# KiCad board Ultra-MSX.kicad_pcb (continued)
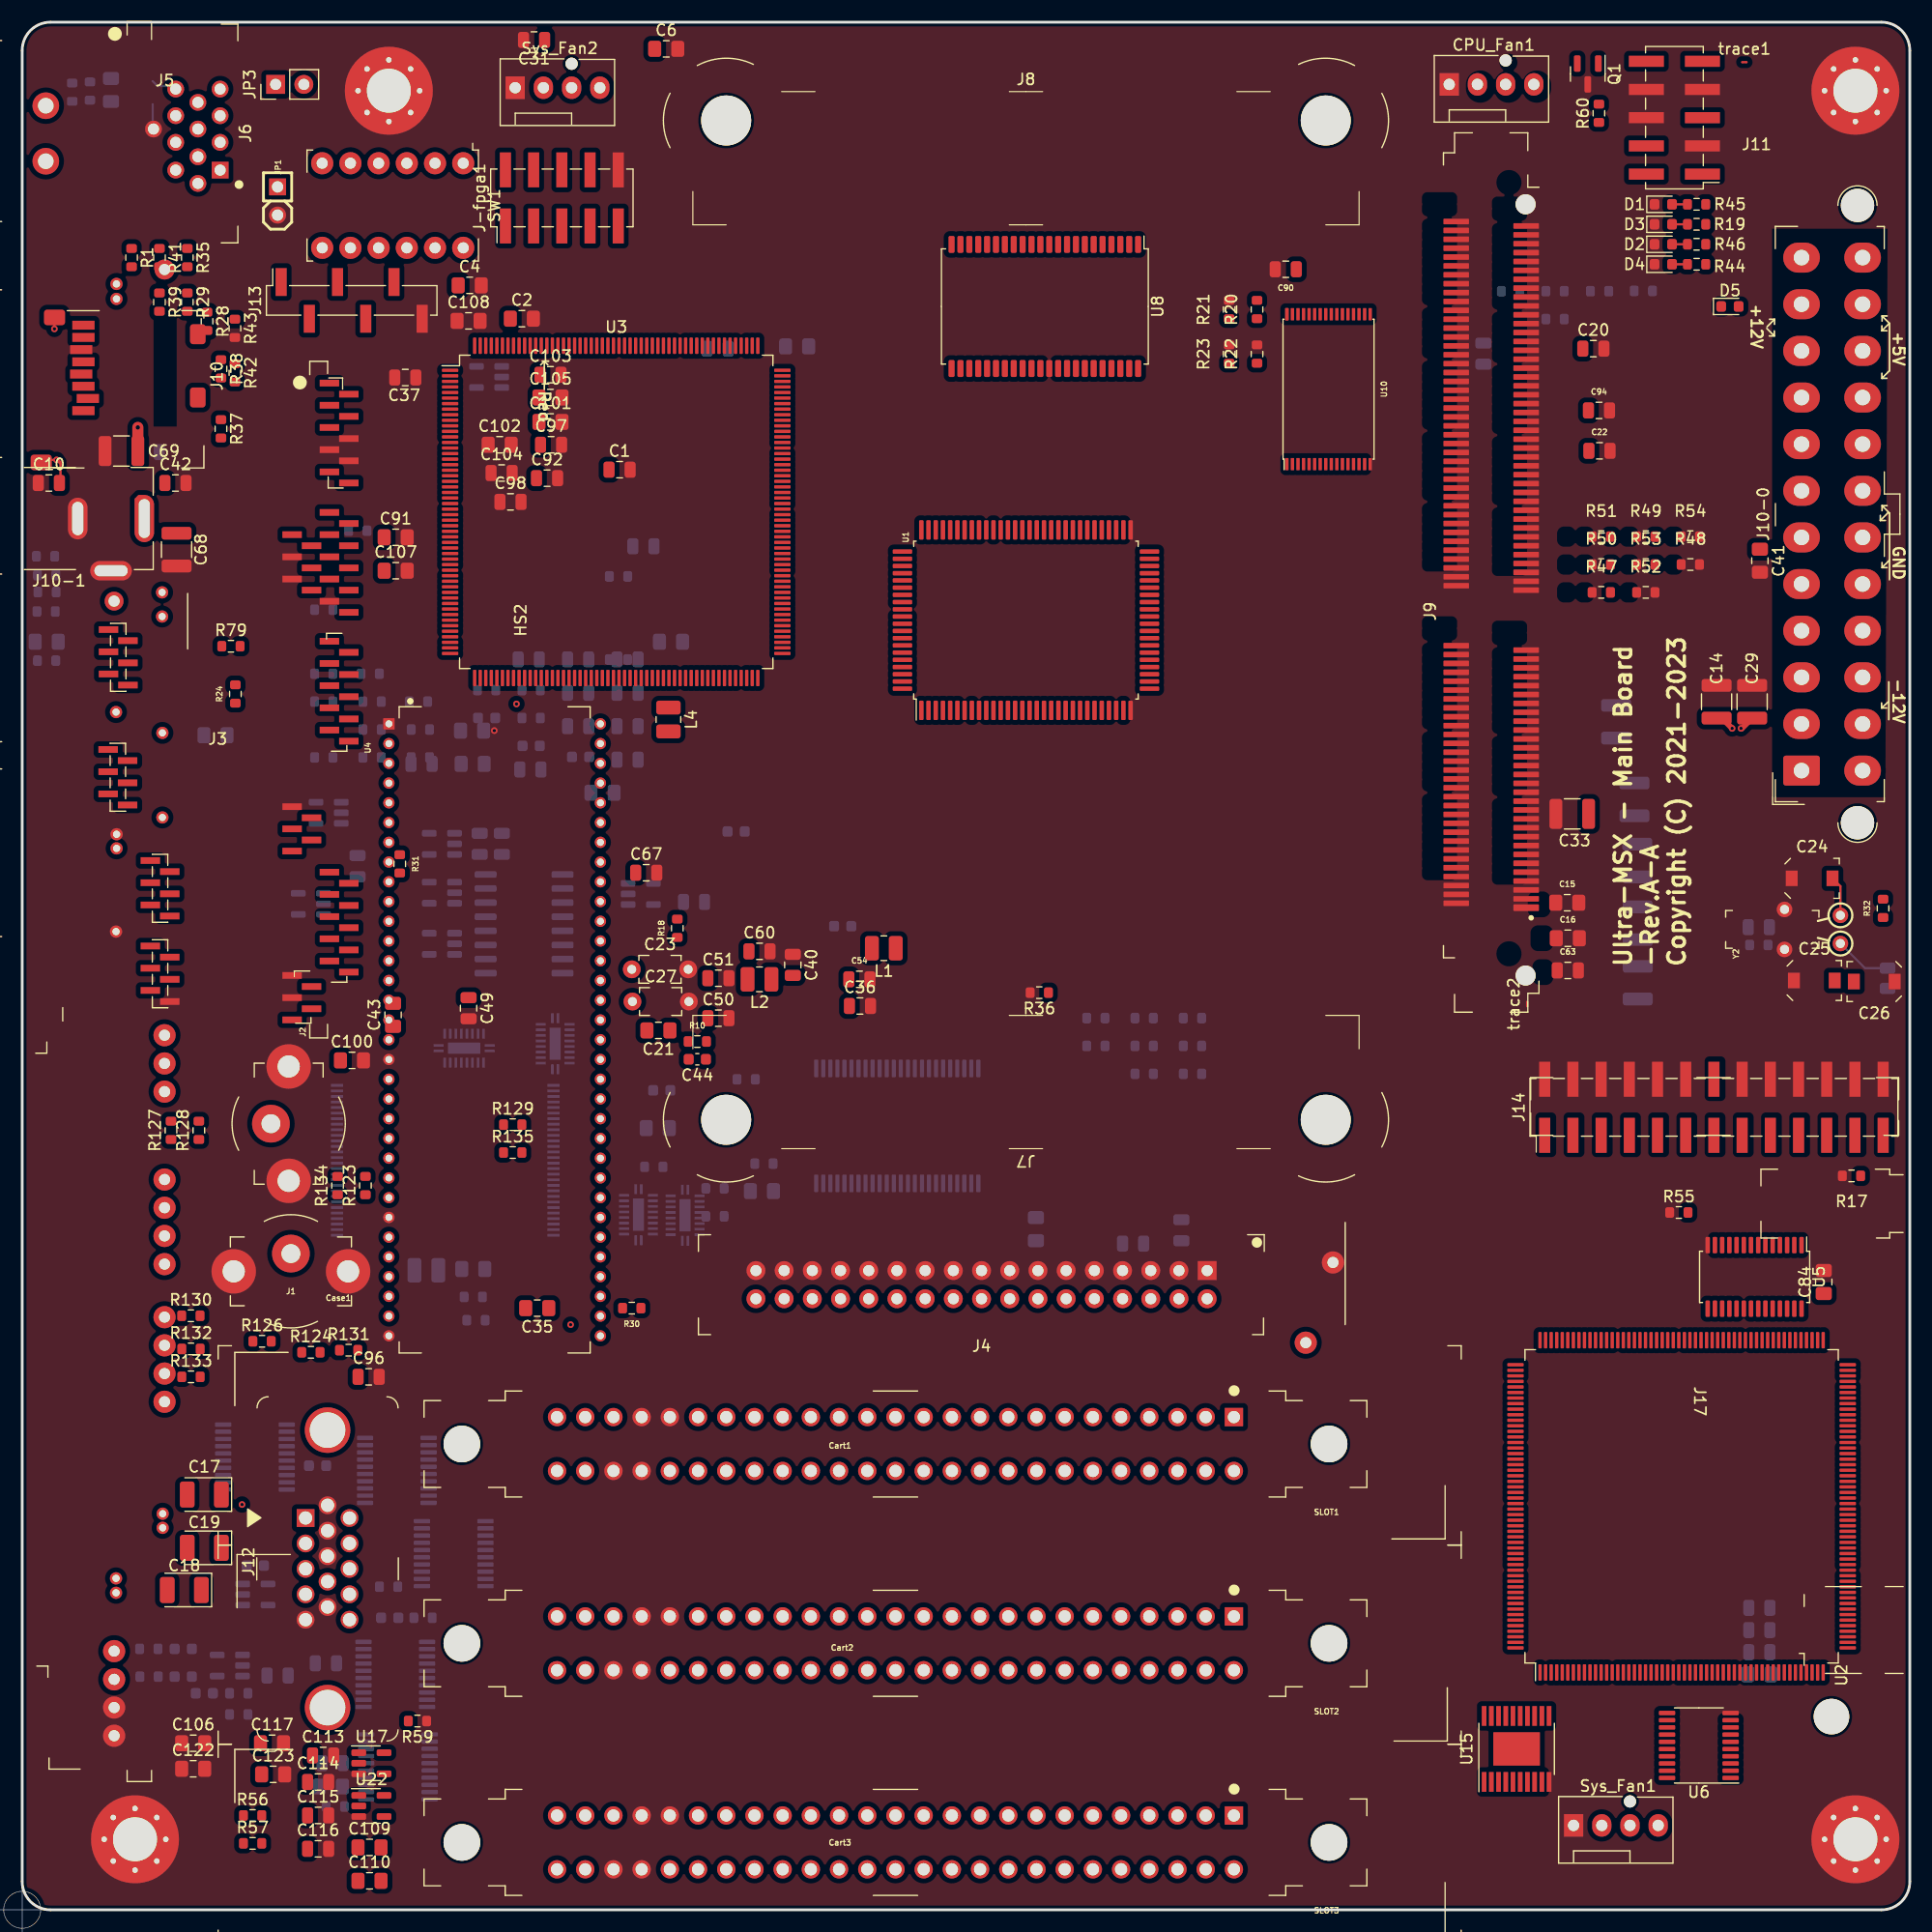
[diagram p0: board, top side]
## Footprints (pads in the part's own frame, mm; a bottom-side part is the same pattern mirrored in y, then rotated) (continued)
TSOP-32_8x14mm_P0.5mm
  rrect 1.1x0.3 smd: 1(6.75,-3.75) 2(6.75,-3.25) 3(6.75,-2.75) 4(6.75,-2.25) 5(6.75,-1.75) 6(6.75,-1.25) 7(6.75,-0.75) 8(6.75,-0.25) 9(6.75,0.25) 10(6.75,0.75) 11(6.75,1.25) 12(6.75,1.75) 13(6.75,2.25) 14(6.75,2.75) 15(6.75,3.25) 16(6.75,3.75) 17(-6.75,3.75) 18(-6.75,3.25) 19(-6.75,2.75) 20(-6.75,2.25) 21(-6.75,1.75) 22(-6.75,1.25) 23(-6.75,0.75) 24(-6.75,0.25) 25(-6.75,-0.25) 26(-6.75,-0.75) 27(-6.75,-1.25) 28(-6.75,-1.75) 29(-6.75,-2.25) 30(-6.75,-2.75) 31(-6.75,-3.25) 32(-6.75,-3.75) 32(-6.75,-3.75)
TSOP-I-56_18.4x14mm_P0.5mm
  rect 1.1x0.25 smd: 1(-9.75,6.75) 2(-9.75,6.25) 3(-9.75,5.75) 4(-9.75,5.25) 5(-9.75,4.75) 6(-9.75,4.25) 7(-9.75,3.75) 8(-9.75,3.25) 9(-9.75,2.75) 10(-9.75,2.25) 11(-9.75,1.75) 12(-9.75,1.25) 13(-9.75,0.75) 14(-9.75,0.25) 15(-9.75,-0.25) 16(-9.75,-0.75) 17(-9.75,-1.25) 18(-9.75,-1.75) 19(-9.75,-2.25) 20(-9.75,-2.75) 21(-9.75,-3.25) 22(-9.75,-3.75) 23(-9.75,-4.25) 24(-9.75,-4.75) 25(-9.75,-5.25) 26(-9.75,-5.75) 27(-9.75,-6.25) 28(-9.75,-6.75) 29(9.75,-6.75) 30(9.75,-6.25) 31(9.75,-5.75) 32(9.75,-5.25) 33(9.75,-4.75) 34(9.75,-4.25) 35(9.75,-3.75) 36(9.75,-3.25) 37(9.75,-2.75) 38(9.75,-2.25) 39(9.75,-1.75) 40(9.75,-1.25) 41(9.75,-0.75) 42(9.75,-0.25) 43(9.75,0.25) 44(9.75,0.75) 45(9.75,1.25) 46(9.75,1.75) 47(9.75,2.25) 48(9.75,2.75) 49(9.75,3.25) 50(9.75,3.75) 51(9.75,4.25) 52(9.75,4.75) 53(9.75,5.25) 54(9.75,5.75) 55(9.75,6.25) 56(9.75,6.75)
TSOP-II-44_10.16x18.41mm_P0.8mm
  rrect 1.525x0.55 smd: 1(-5.588,8.4) 2(-5.588,7.6) 3(-5.588,6.8) 4(-5.588,6) 5(-5.588,5.2) 6(-5.588,4.4) 7(-5.588,3.6) 8(-5.588,2.8) 9(-5.588,2) 10(-5.588,1.2) 11(-5.588,0.4) 12(-5.588,-0.4) 13(-5.588,-1.2) 14(-5.588,-2) 15(-5.588,-2.8) 16(-5.588,-3.6) 17(-5.588,-4.4) 18(-5.588,-5.2) 19(-5.588,-6) 20(-5.588,-6.8) 21(-5.588,-7.6) 22(-5.588,-8.4) 23(5.588,-8.4) 24(5.588,-7.6) 25(5.588,-6.8) 26(5.588,-6) 27(5.588,-5.2) 28(5.588,-4.4) 29(5.588,-3.6) 30(5.588,-2.8) 31(5.588,-2) 32(5.588,-1.2) 33(5.588,-0.4) 34(5.588,0.4) 35(5.588,1.2) 36(5.588,2) 37(5.588,2.8) 38(5.588,3.6) 39(5.588,4.4) 40(5.588,5.2) 41(5.588,6) 42(5.588,6.8) 43(5.588,7.6) 44(5.588,8.4)
TSSOP-20_4.4x6.5mm_P0.65mm
  rrect 1.475x0.4 smd: 1(-2.862,2.925) 2(-2.862,2.275) 3(-2.862,1.625) 4(-2.862,0.975) 5(-2.862,0.325) 6(-2.862,-0.325) 7(-2.862,-0.975) 8(-2.862,-1.625) 9(-2.862,-2.275) 10(-2.862,-2.925) 11(2.862,-2.925) 12(2.862,-2.275) 13(2.862,-1.625) 14(2.862,-0.975) 15(2.862,-0.325) 16(2.862,0.325) 17(2.862,0.975) 18(2.862,1.625) 19(2.862,2.275) 20(2.862,2.925)
TSSOP-28_4.4x9.7mm_P0.65mm
  rrect 1.475x0.4 smd: 1(-2.862,4.225) 2(-2.862,3.575) 3(-2.862,2.925) 4(-2.862,2.275) 5(-2.862,1.625) 6(-2.862,0.975) 7(-2.862,0.325) 8(-2.862,-0.325) 9(-2.862,-0.975) 10(-2.862,-1.625) 11(-2.862,-2.275) 12(-2.862,-2.925) 13(-2.862,-3.575) 14(-2.862,-4.225) 15(2.862,-4.225) 16(2.862,-3.575) 17(2.862,-2.925) 18(2.862,-2.275) 19(2.862,-1.625) 20(2.862,-0.975) 21(2.862,-0.325) 22(2.862,0.325) 23(2.862,0.975) 24(2.862,1.625) 25(2.862,2.275) 26(2.862,2.925) 27(2.862,3.575) 28(2.862,4.225)
Ultra-IO-shield
  oval 1.8x1.8 hole 1: 1(3.27,-22.225)
  oval 1.1x1.1 hole 0.65: 2(-1.06,-23.52) 3(-1.06,-24.87) 5(3.05,-51.3) 6(3.05,-53.475) 13(-1.1,-62.08) 14(3.075,-63.955) 21(3.075,-71.57) 22(-1.05,-73.085) 23(-1.05,-74.355) 30(-1.1,-81.85) 48(3.1,-134.275) 49(3.1,-135.55) 50(-1.1,-140.1) 51(-1.1,-141.4)
  oval 1.7x1.7 hole 1: 4(-1.275,-52.087)
  rect 1.75x0.6 smd: 7(-1.775,-54.65) 8(-0.025,-55.65) 9(-1.775,-56.65) 10(-0.025,-57.65) 11(-1.775,-58.65) 12(-0.025,-59.65) 15(-1.81,-65.45) 16(-0.06,-66.45) 17(-1.81,-67.45) 18(-0.06,-68.45) 19(-1.81,-69.45) 20(-0.06,-70.45) 24(1.99,-75.45) 25(3.74,-76.45) 26(1.99,-77.45) 27(3.74,-78.45) 28(1.99,-79.45) 29(3.74,-80.45) 31(1.99,-83.15) 32(3.74,-84.15) 33(1.99,-85.15) 34(3.74,-86.15) 35(1.99,-87.15) 36(3.74,-88.15)
  oval 2x2 hole 1: 37(3.27,-91.185) 38(3.27,-93.725) 39(3.27,-96.265) 40(3.27,-104.18) 41(3.27,-106.72) 42(3.27,-109.26) 43(3.27,-111.8) 44(3.27,-116.575) 45(3.27,-119.115) 46(3.27,-121.655) 47(3.27,-124.195) 52(-1.27,-146.655) 53(-1.27,-149.195) 54(-1.27,-151.735) 55(-1.27,-154.275)
Ultra-VDP-daughter
  rect 1.75x0.6 smd: 1(6.26,32.05) 2(8.01,31.05) 3(6.26,30.05) 4(8.01,29.05) 5(6.26,28.05) 6(8.01,27.05) 7(6.26,26.05) 8(8.01,25.05) 9(6.26,24.05) 10(8.01,23.05) 11(6.26,20.4) 12(8.01,19.4) 13(6.26,18.4) 14(8.01,17.4) 15(6.26,16.4) 16(8.01,15.4) 17(6.26,14.4) 18(8.01,13.4) 19(6.26,12.4) 20(8.01,11.4) 21(6.26,8.8) 22(8.01,7.8) 23(6.26,6.8) 24(8.01,5.8) 25(6.26,4.8) 26(8.01,3.8) 27(6.26,2.8) 28(8.01,1.8) 29(6.26,0.8) 30(8.01,-0.2) 31(6.26,-12) 32(8.01,-13) 33(6.26,-14) 34(8.01,-15) 35(6.26,-16) 36(8.01,-17) 37(6.26,-18) 38(8.01,-19) 39(6.26,-20) 40(8.01,-21) 41(2.9,18.4) 42(4.65,17.4) 43(2.9,16.4) 44(4.65,15.4) 45(2.9,14.4) 46(4.65,13.4) 47(2.9,-6.1) 48(4.65,-7.1) 49(2.9,-8.1) 50(4.65,-9.1) 51(2.9,-10.1) 52(2.9,-21.3) 53(4.65,-22.3) 54(2.9,-23.3) 55(4.65,-24.3) 56(2.9,-25.3)
WQFN-20-1EP_2.5x4.5mm_P0.5mm_EP1x2.9mm
  rect 0.8x0.8 smd: (0,-0.95) (0,0) (0,0.95)
  rect 0.24x0.9 smd: 1(-0.25,2.3) 10(-0.25,-2.3) 11(0.25,-2.3) 20(0.25,2.3)
  rect 0.9x0.24 smd: 2(-1.3,1.75) 3(-1.3,1.25) 4(-1.3,0.75) 5(-1.3,0.25) 6(-1.3,-0.25) 7(-1.3,-0.75) 8(-1.3,-1.25) 9(-1.3,-1.75) 12(1.3,-1.75) 13(1.3,-1.25) 14(1.3,-0.75) 15(1.3,-0.25) 16(1.3,0.25) 17(1.3,0.75) 18(1.3,1.25) 19(1.3,1.75)
  rect 1x2.9 smd: 21(0,0)
X2GS
  round 3.2 hole 3.2 unplated: (28.4,12.35)
YM_SDIP64_600
  rect 1.016x1.016 hole 0.635: 1(-27.559,-9.525)
  round 1.016 hole 0.635: 2(-25.781,-9.525) 3(-24.003,-9.525) 4(-22.225,-9.525) 5(-20.447,-9.525) 6(-18.669,-9.525) 7(-16.891,-9.525) 8(-15.113,-9.525) 9(-13.335,-9.525) 10(-11.557,-9.525) 11(-9.779,-9.525) 12(-8.001,-9.525) 13(-6.223,-9.525) 14(-4.445,-9.525) 15(-2.667,-9.525) 16(-0.889,-9.525) 17(0.889,-9.525) 18(2.667,-9.525) 19(4.445,-9.525) 20(6.223,-9.525) 21(8.001,-9.525) 22(9.779,-9.525) 23(11.557,-9.525) 24(13.335,-9.525) 25(15.113,-9.525) 26(16.891,-9.525) 27(18.669,-9.525) 28(20.447,-9.525) 29(22.225,-9.525) 30(24.003,-9.525) 31(25.781,-9.525) 32(27.559,-9.525) 33(27.559,9.525) 34(25.781,9.525) 35(24.003,9.525) 36(22.225,9.525) 37(20.447,9.525) 38(18.669,9.525) 39(16.891,9.525) 40(15.113,9.525) 41(13.335,9.525) 42(11.557,9.525) 43(9.779,9.525) 44(8.001,9.525) 45(6.223,9.525) 46(4.445,9.525) 47(2.667,9.525) 48(0.889,9.525) 49(-0.889,9.525) 50(-2.667,9.525) 51(-4.445,9.525) 52(-6.223,9.525) 53(-8.001,9.525) 54(-9.779,9.525) 55(-11.557,9.525) 56(-13.335,9.525) 57(-15.113,9.525) 58(-16.891,9.525) 59(-18.669,9.525) 60(-20.447,9.525) 61(-22.225,9.525) 62(-24.003,9.525) 63(-25.781,9.525) 64(-27.559,9.525)

## Nets
+3.3V: C10.2 C14.1 C29.1 C96.1 C100.1 D5.2 J10.4 J10-0.1 J10-0.2 J10-0.12 J10-0.13 J13.5 R37.2 R38.1 R44.2 U1.40 U23.29 U23.43 U24.20 U25.20 U26.20 U27.20
+5V: C1.1 C2.1 C3.1 C4.1 C5.1 C6.1 C7.1 C8.1 C9.1 C11.1 C12.1 C15.1 C16.1 C20.1 C34.2 C39.2 C41.1 C42.1 C59.1 C67.1 C68.2 C69.2 C71.1 C74.1 C75.1 C86.1 C88.1 C91.1 C92.1 C93.1 C94.1 C117.1 C118.1 C123.1 J3.16 J5.14 J5.23 J5.37 J6.12 J9.11 J9.12 J9.27 J9.28 J9.45 J9.46 J9.63 J9.64 J9.81 J9.82 J9.101 J9.102 J9.113 J9.114 J9.129 J9.130 J9.143 J9.144 J10-0.4 J10-0.6 J10-0.21 J10-0.22 J10-0.23 J10-1.1 J12.9 J14.5 J14.9 J14.13 JP3.1 L3.1 R1.2 R19.1 R20.2 R28.2 R29.2 R34.2 R35.2 R39.2 R40.2 R41.2 R42.2 R47.1 R48.1 R49.1 R50.1 R51.1 R52.1 R53.1 R54.1 R62.1 R63.1 R64.1 R65.1 R66.1 R67.1 R68.1 R69.1 R70.2 R71.2 R72.2 R73.2 R74.2 R75.2 R76.2 R77.2 R79.2 R85.1 R86.1 R87.1 R88.1 R89.1 R90.1 R91.1 R92.1 RV1.17 RV2.17 RV3.17 RV4.17 RV5.17 SLOT1.45 SLOT1.47 SLOT2.45 SLOT2.47 SLOT3.45 SLOT3.47 U1.8 U1.10 U1.29 U1.50 U1.52 U1.70 U1.88 U1.90 U2.26 U2.55 U2.78 U2.106 U2.130 U2.154 U2.183 U2.205 U3.26 U3.55 U3.78 U3.106 U3.130 U3.154 U3.183 U3.205 U4.19 U4.62 U6.20 U8.33 U9.6 U9.9 U9.12 U14.7 U14.18 U14.31 U14.42 U15.20 U24.1 U25.1 U26.1 U27.1
+5VP: J-fpga1.2 SW1.10 SW1.11 SW1.12
+5VSB: C62.1 C84.1 J10-0.9 R16.2 trace2.2 U5.28
+12V: C28.1 C30.1 C31.1 CPU_Fan1.2 J5.4 J10-0.10 J10-0.11 J14.17 J14.21 L1.1 R45.1 SLOT1.48 SLOT2.48 SLOT3.48 Sys_Fan1.2 Sys_Fan2.2
+12VA: C51.1 C52.1 C54.1 C55.1 C65.1 C82.1 C83.1 C85.1 C89.1 C115.1 C116.1 L1.2 U7.2 U11.2 U12.2 U13.2 U16.2 U17.2 U18.2 U19.2 U20.2 U21.2 U22.2
-12V: C32.2 C33.2 C40.2 J10-0.14 L2.1 R46.1 SLOT1.50 SLOT2.50 SLOT3.50
-12VA: C48.1 C49.1 C50.1 C53.1 C60.1 C79.1 C80.1 C81.1 C87.1 C113.1 C114.1 L2.2 U7.5 U11.5 U12.5 U13.5 U16.5 U17.5 U18.5 U19.5 U20.5 U21.5 U22.5
/POWER/VCC_DAC: C13.1 C22.1 C36.1 C66.1 C97.1 C101.1 C103.1 C105.1 C107.1 C119.1 C121.1 L4.2 RV1.16 RV2.16 RV3.16 RV4.16 RV5.16 U9.1 U9.3
/POWER/VCC_PSG: C63.1 L3.2 L4.1 U4.28
/POWER/VCC_ROM: C90.1 U5.1 U10.32
/PROCESSOR/Vbatt: J15.1 U5.24
GND: C1.2 C2.2 C3.2 C4.2 C5.2 C6.2 C7.2 C8.2 C9.2 C10.1 C11.2 C12.2 C13.2 C14.2 C15.2 C16.2 C20.2 C22.2 C23.2 C24.1 C25.1 C26.1 C27.2 C28.2 C29.2 C30.2 C31.2 C32.1 C33.1 C34.1 C36.2 C37.1 C37.2 C39.1 C40.1 C41.2 C42.2 C48.2 C49.2 C50.2 C51.2 C52.2 C53.2 C54.2 C55.2 C59.2 C60.2 C62.2 C63.2 C65.2 C66.2 C67.2 C68.1 C69.1 C71.2 C74.2 C75.2 C79.2 C80.2 C81.2 C82.2 C83.2 C84.2 C85.2 C86.2 C87.2 C88.2 C89.2 C90.2 C91.2 C92.2 C93.2 C94.2 C95.1 C95.2 C96.2 C97.2 C98.1 C98.2 C99.1 C99.2 C100.2 C101.2 C102.1 C102.2 C103.2 C104.1 C104.2 C105.2 C106.1 C106.2 C107.2 C108.1 C108.2 C113.2 C114.2 C115.2 C116.2 C117.2 C118.2 C119.2 C120.1 C120.2 C121.2 C122.1 C122.2 C123.2 CPU_Fan1.1 D1.1 D2.1 D3.1 D4.1 H1.1 H2.1 H3.1 H4.1 J1.1A J1.1B J2.1A J2.1B J3.6 J3.7 J3.8 J3.19 J3.43 J3.45 J3.47 J3.52 J3.54 J4.1 J4.3 J4.5 J4.7 J4.9 J4.11 J4.13 J4.15 J4.17 J4.19 J4.21 J4.23 J4.25 J4.27 J4.29 J4.31 J4.33 J5.22 J5.30 J5.36 J5.54 J5.55 J6.13 J9.1 J9.2 J9.21 J9.22 J9.35 J9.36 J9.55 J9.56 J9.75 J9.76 J9.91 J9.92 J9.107 J9.108 J9.119 J9.120 J9.139 J9.140 J10.6 J10-0.3 J10-0.5 J10-0.7 J10-0.15 J10-0.17 J10-0.18 J10-0.19 J10-0.24 J10-1.2 J10-1.3 J11.3 J11.6 J11.7 J11.8 J12.5 J12.6 J12.7 J12.8 J12.10 J13.6 J14.2 J14.4 J14.6 J14.8 J14.10 J14.12 J14.16 J14.18 J14.20 J14.22 J14.24 J14.26 J15.2 J-fpga1.10 JP1.2 Q1.3 R17.2 R21.2 R22.2 R23.2 R36.2 R43.2 R55.1 R59.1 R80.1 RV1.2 RV1.9 RV1.12 RV1.15 RV2.2 RV2.9 RV2.12 RV2.15 RV3.2 RV3.9 RV3.12 RV3.15 RV4.2 RV4.9 RV4.12 RV4.15 RV5.2 RV5.9 RV5.12 SLOT1.41 SLOT1.43 SLOT1.44 SLOT1.46 SLOT2.41 SLOT2.43 SLOT2.44 SLOT2.46 SLOT3.41 SLOT3.43 SLOT3.44 SLOT3.46 Sys_Fan1.1 Sys_Fan2.1 U1.7 U1.9 U1.28 U1.30 U1.51 U1.69 U1.71 U1.89 U2.2 U2.14 U2.25 U2.37 U2.49 U2.67 U2.79 U2.90 U2.101 U2.119 U2.131 U2.142 U2.160 U2.171 U2.182 U2.194 U3.2 U3.14 U3.25 U3.37 U3.49 U3.67 U3.79 U3.90 U3.101 U3.119 U3.131 U3.142 U3.160 U3.171 U3.182 U3.194 U4.1 U4.18 U4.26 U4.32 U5.14 U5.20 U6.10 U7.3 U8.34 U9.2 U10.16 U11.3 U12.3 U13.3 U14.4 U14.10 U14.15 U14.21 U14.24 U14.28 U14.34 U14.39 U14.45 U14.48 U15.10 U16.3 U17.3 U18.3 U19.3 U20.3 U21.3 U22.3 U23.33 U23.52 U24.10 U25.10 U26.10 U27.10 Y2.3 Y2.4
/AUD_L: J5.52 R121.2
/AUD_R: J5.53 R122.2
/AUDIO AMPLIFIERS/FMA_L: R9.1 RV1.11
/AUDIO AMPLIFIERS/FMA_R: R11.1 RV1.14
/AUDIO AMPLIFIERS/I2C_AD1: RV1.20 U3.188
/AUDIO AMPLIFIERS/I2C_AD2: RV2.20 U3.189
/AUDIO AMPLIFIERS/I2C_AD3: RV3.20 U3.192
/AUDIO AMPLIFIERS/I2C_AD4: RV4.20 U3.193
/AUDIO AMPLIFIERS/I2C_AD5: RV5.20 U3.204
/AUDIO AMPLIFIERS/PSG_Ch: R116.2 RV3.14
/AUDIO AMPLIFIERS/SL3-B: RV2.5 RV2.8 RV4.8 RV5.5
/AUDIO AMPLIFIERS/SLP_B: RV3.5 RV3.8
/AUDIO AMPLIFIERS/SLT1_Ch: R117.2 RV4.11
/AUDIO AMPLIFIERS/SLT2_Ch: R115.2 RV3.11
/AUDIO AMPLIFIERS/SLT3_L: R8.1 RV2.11
/AUDIO AMPLIFIERS/SLT3_R: R13.1 RV2.14
/AUDIO AMPLIFIERS/SUM_B: RV5.8 RV5.15
/AUDIO AMPLIFIERS/YAM-B: RV1.5 RV1.8 RV4.5
/AUDIO/0.5_VDD: R18.2 U9.16
/AUDIO/A0: J3.44 U1.6 U2.161 U5.10 U8.5 U10.12 U14.47
/AUDIO/A1: J3.39 U1.5 U2.162 U5.9 U8.4 U10.11 U14.46
/AUDIO/A2: J3.27 U1.4 U2.165 U4.60 U5.8 U8.3 U10.10 U14.44
/AUDIO/A3: J3.26 U1.3 U2.166 U4.61 U5.7 U8.2 U10.9 U14.43
/AUDIO/A4: J3.25 U1.2 U2.174 U8.1 U10.8 U14.41
/AUDIO/A5: J3.24 U1.1 U2.175 U8.44 U10.7 U14.40
/AUDIO/A6: J3.23 U1.100 U2.180 U8.43 U10.6 U14.38
/AUDIO/A7: J3.22 U1.99 U2.181 U8.42 U10.5 U14.37
/AUDIO/A8: J3.21 U1.98 U2.184 U8.39 U10.27 U14.36
/AUDIO/A9: U1.97 U2.185 U8.28 U10.26 U14.35
/AUDIO/A10: U1.96 U2.190 U8.27 U10.23 U14.33
/AUDIO/A11: U1.95 U2.191 U8.26 U10.25 U14.32
/AUDIO/A12: U1.94 U2.199 U8.25 U10.4 U14.30
/AUDIO/A13: U1.93 U2.200 U8.24 U10.28 U14.29
/AUDIO/A14: U1.92 U2.203 U8.23 U10.29 U14.27
/AUDIO/A15: U1.91 U2.204 U8.22 U10.3 U14.26
/AUDIO/A16: U1.87 U2.4 U8.21 U10.2
/AUDIO/A17: J9.106 U1.86 U3.161 U8.20 U10.30
/AUDIO/A18: J9.110 JP3.2 R80.2 U1.85 U3.162 U8.19 U10.1
/AUDIO/A19: J9.29 U1.84 U3.165 U8.18
/AUDIO/A20: J9.30 U1.83 U3.166
/AUDIO/A21: J9.31 U1.82 U3.174
/AUDIO/A22: J9.32 U1.81 U3.175
/AUDIO/A23: J9.33 U1.80 U3.180
/AUDIO/A24: J9.34 U1.79 U3.181
/AUDIO/A25: J9.103 U1.78 U3.184
/AUDIO/A26: J9.104 U1.77 U3.185
/AUDIO/A27: J9.105 U1.76 U3.190
/AUDIO/A28: J9.109 U1.75 U3.191
/AUDIO/A29: J9.111 U1.74 U3.199
/AUDIO/A30: J9.112 U1.73 U3.200
/AUDIO/A31: J9.70 U1.72 U3.203
/AUDIO/D0: J3.31 R62.2 U1.68 U2.151 U3.151 U4.2 U5.11 U5.23 U8.9
/AUDIO/D1: J3.32 R63.2 U1.67 U2.147 U3.147 U4.3 U5.12 U8.10
/AUDIO/D2: J3.33 R64.2 U1.66 U2.138 U3.138 U4.4 U5.13 U8.13
/AUDIO/D3: J3.34 R65.2 U1.65 U2.132 U3.132 U4.5 U5.15 U8.14
/AUDIO/D4: J3.35 R66.2 U1.64 U2.128 U3.128 U4.6 U5.16 U8.31
/AUDIO/D5: J3.36 R67.2 U1.63 U2.122 U3.122 U4.7 U5.17 U8.32
/AUDIO/D6: J3.37 R68.2 U1.62 U2.113 U3.113 U4.8 U5.18 U8.35
/AUDIO/D7: J3.38 R69.2 U1.61 U2.109 U3.109 U4.9 U5.19 U8.36
/AUDIO/D8: J3.9 R47.2 U1.60 U2.99 U3.99 U10.13
/AUDIO/D9: J3.10 R48.2 U1.59 U2.96 U3.96 U10.14
/AUDIO/D10: J3.41 R49.2 U1.58 U2.95 U3.95 U10.15
/AUDIO/D11: J3.42 R50.2 U1.57 U2.87 U3.87 U10.17
/AUDIO/D12: J3.5 R51.2 U1.56 U2.86 U3.86 U10.18
/AUDIO/D13: J3.30 R52.2 U1.55 U2.81 U3.81 U10.19
/AUDIO/D14: J3.29 R53.2 U1.54 U2.80 U3.80 U10.20
/AUDIO/D15: J3.28 R54.2 U1.53 U2.76 U3.76 U10.21
/AUDIO/FMA_OUT: U4.31 U9.4
/AUDIO/PA0: R128.1 U23.7
/AUDIO/PA1: R129.1 U23.6
/AUDIO/PA2: R130.1 U23.5
/AUDIO/PA3: R131.1 U23.4
/AUDIO/PA4: R132.1 U23.3
/AUDIO/PA5: R133.1 U23.54
/AUDIO/PA6: R134.1 U23.19
/AUDIO/PA7: R135.1 U23.18
/AUDIO/PA8: U4.41 U26.8
/AUDIO/PA9: U4.42 U26.9
/AUDIO/PA10: U4.43 U25.2
/AUDIO/PA11: U4.44 U25.3
/AUDIO/PAD0: U4.48 U27.8
/AUDIO/PAD1: U4.49 U27.9
/AUDIO/PAD2: U4.50 U26.2
/AUDIO/PAD3: U4.51 U26.3
/AUDIO/PAD4: U4.52 U26.4
/AUDIO/PAD5: U4.53 U26.5
/AUDIO/PAD6: U4.54 U26.6
/AUDIO/PAD7: U4.55 U26.7
/AUDIO/RA0: R123.1 U23.31
/AUDIO/RA1: R124.1 U23.26
/AUDIO/RA2: R125.1 U23.25
/AUDIO/RA3: R126.1 U23.24
/AUDIO/RA4: R127.1 U23.23
/AUDIO/RA8: U4.23 U27.2
/AUDIO/RA9: U4.22 U27.3
/AUDIO/RA20: U4.35 U27.4
/AUDIO/RA21: U4.36 U27.5
/AUDIO/RA22: U4.37 U27.6
/AUDIO/RA23: U4.38 U27.7
/AUDIO/RAD0: U4.17 U24.2
/AUDIO/RAD1: U4.16 U24.3
/AUDIO/RAD2: U4.15 U24.4
/AUDIO/RAD3: U4.14 U24.5
/AUDIO/RAD4: U4.13 U24.6
/AUDIO/RAD5: U4.12 U24.7
/AUDIO/RAD6: U4.11 U24.8
/AUDIO/RAD7: U4.10 U24.9
/AUDIO/SCLK: U4.64 U9.5
/AUDIO/SHCLK1: U4.29 U9.8
/AUDIO/SHCLK2: U4.30 U9.7
/AUDIO/VT_PA8: U23.11 U26.13
/AUDIO/VT_PA9: U23.12 U26.12
/AUDIO/VT_PA10: U23.15 U25.19
/AUDIO/VT_PA11: U23.2 U25.18
/AUDIO/VT_PAD0: R128.2 U23.36 U27.13
/AUDIO/VT_PAD1: R129.2 U23.38 U27.12
/AUDIO/VT_PAD2: R130.2 U23.40 U26.19
/AUDIO/VT_PAD3: R131.2 U23.42 U26.18
/AUDIO/VT_PAD4: R132.2 U23.45 U26.17
/AUDIO/VT_PAD5: R133.2 U23.47 U26.16
/AUDIO/VT_PAD6: R134.2 U23.49 U26.15
/AUDIO/VT_PAD7: R135.2 U23.51 U26.14
/AUDIO/VT_RA8: U23.22 U27.19
/AUDIO/VT_RA9: U23.21 U27.18
/AUDIO/VT_RA20: U23.20 U27.17
/AUDIO/VT_RA21: U23.10 U27.16
/AUDIO/VT_RA22: U23.9 U27.15
/AUDIO/VT_RA23: U23.8 U27.14
/AUDIO/VT_RAD0: R123.2 U23.35 U24.19
/AUDIO/VT_RAD1: R124.2 U23.37 U24.18
/AUDIO/VT_RAD2: R125.2 U23.39 U24.17
/AUDIO/VT_RAD3: R126.2 U23.41 U24.16
/AUDIO/VT_RAD4: R127.2 U23.44 U24.15
/AUDIO/VT_RAD5: U23.46 U24.14
/AUDIO/VT_RAD6: U23.48 U24.13